# Allegro board SDHCalFEB.brd (continued)
## Routing (per net, layer and track width the routed paths; a pad name or vN(x,y) marks a point on that pad's centre or on a via; arc(x,y) is an arc through that point) (continued)
; 335.71,195.55 v2(335.71,195.99) ; v2(335.71,195.99) 335.71,196.42 ; v2(335.71,195.99) 335.28,195.99 ; v2(335.71,195.99) 336.14,195.99 ; 182.68,254.58 v2(183.11,254.58) ; v2(183.11,254.58) 183.11,255.02 ; v2(183.11,254.58) 183.11,254.15 ; v2(183.11,254.58) 183.54,254.58 ; 183.39,351.48 v1(183.39,351.92) ; v1(183.39,351.92) 183.82,351.92 ; v1(183.39,351.92) 183.39,352.35 ; v1(183.39,351.92) 182.96,351.92 ; v2(106.91,174.45) 106.91,174.88 ; v2(106.91,174.45) 106.48,174.45 ; v2(106.91,174.45) 106.91,174.01 ; v2(106.91,174.45) 107.34,174.45 ; 253.24,95.78 v2(253.24,96.22) ; v2(253.24,96.22) 253.67,96.22 ; v2(253.24,96.22) 253.24,96.65 ; v2(253.24,96.22) 252.81,96.22 ; 269.31,164.41 C781.2 ; C781.2 268.11,165.74 ; C781.2 269.31,167.06 ; v1(353.44,350.34) 353.87,350.34 ; v1(353.44,350.34) 353.44,350.77 ; v1(353.44,350.34) 353.44,349.91 ; v1(353.44,350.34) 353.01,350.34 ; v2(363.22,110.67) 363.65,110.67 ; v2(363.22,110.67) 363.22,111.1 ; v2(363.22,110.67) 362.79,110.67 ; v2(363.22,110.67) 363.22,110.24 ; v2(342.11,310.67) 342.11,311.1 ; v2(342.11,310.67) 342.11,310.24 ; v2(342.11,310.67) 342.54,310.67 ; v2(342.11,310.67) 341.68,310.67 ; v2(94.49,172.69) 94.92,172.69 ; v2(94.49,172.69) 94.49,173.13 ; v2(94.49,172.69) 94.49,172.26 ; 340.59,319.46 v2(341.02,319.46) ; v2(341.02,319.46) 341.02,319.02 ; v2(341.02,319.46) 341.02,319.89 ; v2(341.02,319.46) 341.45,319.46 ; J11.2 258.72,250.65 ; J11.2 259.85,249.52 ; J11.2 258.72,248.39 ; J11.2 257.59,249.52 ; 98.75,248.49 J15.2 ; J15.2 97.62,249.62 ; J15.2 98.75,250.75 ; J15.2 99.88,249.62 ; 355.57,186.69 v1(356.01,186.69) ; v1(356.01,186.69) 356.01,187.12 ; v1(356.01,186.69) 356.01,186.26 ; v1(356.01,186.69) 356.44,186.69 ; 175.2,259.03 J46.5 ; J46.5 175.2,261.29 ; J46.5 176.33,260.16 ; J46.5 174.07,260.16 ; 181.84,350.39 v1(181.84,350.82) ; v1(181.84,350.82) 181.84,351.26 ; v1(181.84,350.82) 181.41,350.82 ; v1(181.84,350.82) 182.27,350.82 ; 337.82,169.24 v2(338.25,169.24) ; v2(338.25,169.24) 338.25,169.67 ; v2(338.25,169.24) 338.25,168.81 ; v2(338.25,169.24) 338.68,169.24 ; 177.44,191.77 v2(177.44,192.2) ; v2(177.44,192.2) 177.01,192.2 ; v2(177.44,192.2) 177.44,192.63 ; v2(94.97,181.61) 94.97,182.04 ; v2(94.97,181.61) 94.97,181.18 ; v2(94.97,181.61) 94.54,181.61 ; v2(94.97,181.61) 95.4,181.61 ; 334.54,40.82 v2(334.98,40.82) ; v2(334.98,40.82) 334.98,40.39 ; v2(334.98,40.82) 334.98,41.25 ; v2(334.98,40.82) 335.41,40.82 ; 93.62,39.83 v2(93.62,40.26) ; v2(93.62,40.26) 94.06,40.26 ; v2(93.62,40.26) 93.19,40.26 ; v2(93.62,40.26) 93.62,40.69 ; 241.23,198.17 v2(241.23,198.6) ; v2(241.23,198.6) 241.66,198.6 ; v2(241.23,198.6) 240.8,198.6 ; C87.2 317.56,278.05 ; C87.2 314.92,278.05 ; C87.2 316.24,276.86 ; 175.41,253.26 v2(175.84,253.26) ; v2(175.84,253.26) 176.28,253.26 ; v2(175.84,253.26) 175.84,252.83 ; v2(175.84,253.26) 175.84,253.7 ; v1(370.79,183.79) 371.22,183.79 ; v1(370.79,183.79) 370.36,183.79 ; v1(370.79,183.79) 370.79,184.23 ; v1(370.79,183.79) 370.79,183.36 ; 254.66,280.26 v2(255.09,280.26) ; v2(255.09,280.26) 255.52,280.26 ; v2(255.09,280.26) 255.09,279.83 ; v2(255.09,280.26) 255.09,280.7 ; v2(29.39,266.32) 29.39,266.75 ; v2(29.39,266.32) 29.39,265.89 ; v2(29.39,266.32) 29.82,266.32 ; v2(29.39,266.32) 28.96,266.32 ; 175.11,39.93 v2(175.11,40.36) ; v2(175.11,40.36) 175.11,40.79 ; v2(175.11,40.36) 175.54,40.36 ; v2(175.11,40.36) 174.68,40.36 ; 93.17,242.82 R1712.1 92.59,242.26 ; C1218.2 237.24,37.96 ; C1218.2 234.59,37.96 ; C1218.2 235.92,36.77 ; U1053.7 v1(346.37,127.02) ; J56.5 184.16,101.19 ; J56.5 185.29,100.06 ; J56.5 184.16,98.93 ; J56.5 183.03,100.06 ; 226.87,349.96 v1(227.3,349.96) ; v1(227.3,349.96) 227.74,349.96 ; v1(227.3,349.96) 227.3,350.39 ; v1(227.3,349.96) 227.3,349.53 ; 167.34,117.78 R904.1 167.93,118.34 ; C1041.2 37.77,169.4 ; C1041.2 39.09,168.21 ; C1041.2 36.45,168.21 ; 251.66,323.49 v2(252.09,323.49) ; v2(252.09,323.49) 252.09,323.93 ; v2(252.09,323.49) 252.53,323.49 ; v2(252.09,323.49) 252.09,323.06 ; v2(185.83,180.57) 185.83,181 ; v2(185.83,180.57) 185.83,180.14 ; v2(185.83,180.57) 185.39,180.57 ; v2(185.83,180.57) 186.26,180.57 ; v1(163.27,355.68) 163.27,356.11 ; v1(163.27,355.68) 162.84,355.68 ; v1(163.27,355.68) 163.7,355.68 ; v1(163.27,355.68) 163.27,355.24 ; v2(159.16,39.37) 159.59,39.37 ; v2(159.16,39.37) 158.72,39.37 ; v2(159.16,39.37) 159.16,39.8 ; v2(159.16,39.37) 159.16,38.94 ; 43.99,338.71 v2(44.42,338.71) ; v2(44.42,338.71) 44.42,338.28 ; v2(44.42,338.71) 44.86,338.71 ; v2(44.42,338.71) 44.42,339.14 ; 77.04,115.9 v2(77.04,116.33) ; v2(77.04,116.33) 77.04,116.76 ; v2(77.04,116.33) 76.61,116.33 ; v2(77.04,116.33) 77.47,116.33 ; J16.3 95.8,195.28 ; J16.3 96.94,194.14 ; J16.3 95.8,193.01 ; J16.3 94.67,194.14 ; v2(30.96,177.5) 30.96,177.93 ; v2(30.96,177.5) 30.53,177.5 ; v2(30.96,177.5) 31.39,177.5 ; v2(30.96,177.5) 30.96,177.06 ; v2(228.17,340.84) 228.17,341.27 ; v2(228.17,340.84) 227.74,340.84 ; v2(228.17,340.84) 228.17,340.41 ; v2(228.17,340.84) 228.6,340.84 ; v2(27.91,90.6) 27.91,91.03 ; v2(27.91,90.6) 28.35,90.6 ; v2(27.91,90.6) 27.91,90.17 ; v2(27.91,90.6) 27.48,90.6 ; v2(101.73,175.69) 101.73,176.12 ; v2(101.73,175.69) 101.29,175.69 ; v2(101.73,175.69) 101.73,175.26 ; v2(101.73,175.69) 102.16,175.69 ; 110.31,176.4 v2(110.74,176.4) ; v2(110.74,176.4) 110.74,176.84 ; v2(110.74,176.4) 111.18,176.4 ; v2(110.74,176.4) 110.74,175.97 ; 334.35,249.52 J9.5 ; J9.5 335.48,248.39 ; J9.5 336.61,249.52 ; J9.5 335.48,250.65 ; J6.5 171.74,278.17 ; J6.5 169.48,278.17 ; J6.5 170.61,279.3 ; J6.5 170.61,277.04 ; v1(20.9,19.51) 20.9,19.94 ; v1(20.9,19.51) 21.34,19.51 ; v1(20.9,19.51) 20.9,19.07 ; v1(20.9,19.51) 20.47,19.51 ; 111.59,173.13 R1918.1 ; 332.5,163.34 v2(332.5,162.91) 332.93,162.91 ; v1(358.11,206.76) 358.11,207.19 ; v1(358.11,206.76) 358.11,206.32 ; v1(358.11,206.76) 357.68,206.76 ; v1(358.11,206.76) 358.55,206.76 ; v2(223.49,336.07) 223.93,336.07 ; v2(223.49,336.07) 223.49,336.5 ; v2(223.49,336.07) 223.06,336.07 ; v2(223.49,336.07) 223.49,335.64 ; v2(298.96,342.09) 298.96,342.52 ; v2(298.96,342.09) 298.96,341.65 ; v2(298.96,342.09) 298.53,342.09 ; v2(298.96,342.09) 299.39,342.09 ; 171.65,118.67 v2(172.09,118.67) ; v2(172.09,118.67) 172.09,119.1 ; v2(172.09,118.67) 172.52,118.67 ; v2(172.09,118.67) 172.09,118.24 ; 235.79,276.17 v2(235.79,276.61) ; v2(235.79,276.61) 236.22,276.61 ; v2(235.79,276.61) 235.36,276.61 ; v2(235.79,276.61) 235.79,277.04 ; v2(337.39,173.15) 337.82,173.15 ; v2(337.39,173.15) 336.96,173.15 ; v2(337.39,173.15) 337.39,172.72 ; v2(337.39,173.15) 337.39,173.58 ; 241.63,196.75 v2(241.63,197.18) ; v2(241.63,197.18) 241.63,197.61 ; v2(241.63,197.18) 241.2,197.18 ; v2(241.63,197.18) 242.06,197.18 ; v2(332.18,34.72) 332.61,34.72 ; v2(332.18,34.72) 332.18,34.29 ; v2(332.18,34.72) 332.18,35.15 ; v2(332.18,34.72) 331.75,34.72 ; 97.84,260.1 v2(98.27,260.1) ; v2(98.27,260.1) 98.27,259.66 ; v2(98.27,260.1) 98.7,260.1 ; v2(98.27,260.1) 98.27,260.53 ; J12.4 252.41,194.02 ; J12.4 251.28,195.15 ; J12.4 250.15,194.02 ; J12.4 251.28,192.89 ; v1(226.95,348.11) 227.38,348.11 ; v1(226.95,348.11) 226.52,348.11 ; v1(226.95,348.11) 226.95,347.67 ; v1(226.95,348.11) 226.95,348.54 ; 102.03,334.24 v2(102.03,334.67) ; v2(102.03,334.67) 102.03,335.1 ; v2(102.03,334.67) 102.46,334.67 ; v2(102.03,334.67) 101.6,334.67 ; 30.53,174.96 v2(30.96,174.96) ; v2(30.96,174.96) 30.96,175.39 ; v2(30.96,174.96) 30.96,174.52 ; v2(30.96,174.96) 31.39,174.96 ; J48.5 334.96,180.98 ; J48.5 334.96,178.72 ; J48.5 333.83,179.85 ; J48.5 336.09,179.85 ; v2(177.93,31.65) 178.36,31.65 ; v2(177.93,31.65) 177.49,31.65 ; v2(177.93,31.65) 177.93,31.22 ; v2(177.93,31.65) 177.93,32.08 ; J34.A2 v1(394.88,163.71) ; v2(365.12,108.36) 365.12,108.79 ; v2(365.12,108.36) 364.69,108.36 ; v2(365.12,108.36) 365.12,107.92 ; v2(365.12,108.36) 365.56,108.36 ; v2(188.09,322.3) 188.52,322.3 ; v2(188.09,322.3) 188.09,321.87 ; v2(188.09,322.3) 187.65,322.3 ; v2(188.09,322.3) 188.09,322.73 ; 336.02,82.63 v2(336.02,83.06) ; v2(336.02,83.06) 335.58,83.06 ; v2(336.02,83.06) 336.45,83.06 ; v2(336.02,83.06) 336.02,83.49 ; v2(185.18,173.05) 185.18,173.48 ; 73.63,197.21 v2(74.07,197.21) ; v2(74.07,197.21) 74.5,197.21 ; v2(74.07,197.21) 74.07,197.64 ; v2(74.07,197.21) 74.07,196.77 ; 260.73,25.68 v1(260.73,26.11) ; v1(260.73,26.11) 261.16,26.11 ; v1(260.73,26.11) 260.3,26.11 ; v1(260.73,26.11) 260.73,26.54 ; 171.98,97.59 v2(171.98,98.02) ; v2(171.98,98.02) 171.98,98.45 ; v2(171.98,98.02) 172.42,98.02 ; v2(171.98,98.02) 171.55,98.02 ; 260.71,352.63 v1(261.14,352.63) ; v1(261.14,352.63) 261.14,352.2 ; v1(261.14,352.63) 261.14,353.06 ; v1(261.14,352.63) 261.57,352.63 ; 364.06,242.47 v2(364.49,242.47) ; v2(364.49,242.47) 364.92,242.47 ; v2(364.49,242.47) 364.49,242.9 ; v2(364.49,242.47) 364.49,242.04 ; v2(95.83,90.12) 96.27,90.12 ; v2(95.83,90.12) 95.83,90.55 ; v2(95.83,90.12) 95.83,89.69 ; v2(95.83,90.12) 95.4,90.12 ; 335.41,276.89 v2(335.84,276.89) ; v2(335.84,276.89) 336.27,276.89 ; v2(335.84,276.89) 335.84,277.32 ; v2(335.84,276.89) 335.84,276.45 ; 191.49,339.11 v2(191.49,339.55) ; v2(191.49,339.55) 191.92,339.55 ; v2(191.49,339.55) 191.06,339.55 ; v2(191.49,339.55) 191.49,339.98 ; 172.21,113.56 v2(172.21,114) ; v2(172.21,114) 171.78,114 ; v2(172.21,114) 172.21,114.43 ; v2(172.21,114) 172.64,114 ; v1(353.19,263.6) 353.62,263.6 ; v1(353.19,263.6) 353.19,264.03 ; v1(353.19,263.6) 352.75,263.6 ; v1(353.19,263.6) 353.19,263.17 ; 259.41,263.07 v2(259.41,263.5) ; v2(259.41,263.5) 259.41,263.93 ; v2(259.41,263.5) 259.84,263.5 ; v2(259.41,263.5) 258.98,263.5 ; 99.96,242.19 v2(100.39,242.19) 100.39,242.63 ; v2(320.7,42.8) 321.13,42.8 ; v2(320.7,42.8) 320.7,43.23 ; v2(320.7,42.8) 320.27,42.8 ; v2(320.7,42.8) 320.7,42.37 ; 85.95,20.4 v1(85.95,20.83) ; v1(85.95,20.83) 86.39,20.83 ; v1(85.95,20.83) 85.52,20.83 ; v1(85.95,20.83) 85.95,21.26 ; v2(256.36,89) 256.79,89 ; v2(256.36,89) 256.36,89.43 ; v2(256.36,89) 256.36,88.57 ; v2(256.36,89) 255.93,89 ; v1(201.98,351.49) 201.98,351.92 ; v1(201.98,351.49) 202.41,351.49 ; v1(201.98,351.49) 201.98,351.05 ; v1(201.98,351.49) 201.55,351.49 ; v2(365.23,214.25) 365.23,214.68 ; v2(365.23,214.25) 364.79,214.25 ; v2(365.23,214.25) 365.23,213.82 ; v2(365.23,214.25) 365.66,214.25 ; 334.06,253.26 v2(334.49,253.26) ; v2(334.49,253.26) 334.49,252.83 ; v2(334.49,253.26) 334.92,253.26 ; v2(334.49,253.26) 334.49,253.7 ; v2(180.62,173.3) 181.05,173.3 ; v2(180.62,173.3) 180.62,172.87 ; v2(180.62,173.3) 180.62,173.74 ; v2(180.62,173.3) 180.19,173.3 ; 178.74,243.61 J13.3 ; J13.3 178.74,245.87 ; J13.3 179.87,244.74 ; J13.3 177.6,244.74 ; 180.68,263.25 R1633.1 180.68,262.08 ; C693.2 29.58,185.22 ; C693.2 29.58,182.57 ; C693.2 28.39,183.9 ; v1(248.26,24.69) 248.26,25.12 ; v1(248.26,24.69) 248.26,24.26 ; v1(248.26,24.69) 248.69,24.69 ; v1(248.26,24.69) 247.83,24.69 ; v1(100.63,19.3) 101.07,19.3 ; v1(100.63,19.3) 100.63,19.74 ; v1(100.63,19.3) 100.63,18.87 ; v1(100.63,19.3) 100.2,19.3 ; v2(257.3,170.74) 257.3,171.17 ; v2(257.3,170.74) 257.73,170.74 ; v2(257.3,170.74) 257.3,170.31 ; v2(257.3,170.74) 256.87,170.74 ; J14.2 175.46,200.08 ; J14.2 175.46,197.81 ; J14.2 176.59,198.95 ; J14.2 174.33,198.95 ; 268.66,96.98 v2(269.09,96.98) ; v2(269.09,96.98) 269.09,96.54 ; v2(269.09,96.98) 269.09,97.41 ; v2(269.09,96.98) 269.52,96.98 ; v2(76.61,197.21) 77.04,197.21 ; v2(76.61,197.21) 76.61,196.77 ; v2(76.61,197.21) 76.61,197.64 ; v2(76.61,197.21) 76.17,197.21 ; v2(98.27,171.65) 98.27,172.09 ; v2(98.27,171.65) 98.27,171.22 ; v2(98.27,171.65) 97.84,171.65 ; v2(98.27,171.65) 98.7,171.65 ; v1(355.07,205.66) 355.5,205.66 ; v1(355.07,205.66) 354.63,205.66 ; v1(355.07,205.66) 355.07,205.23 ; v1(355.07,205.66) 355.07,206.1 ; v2(333.35,118.54) 333.35,118.97 ; v2(333.35,118.54) 333.35,118.11 ; v2(333.35,118.54) 332.92,118.54 ; v2(333.35,118.54) 333.78,118.54 ; 173.74,179.87 J50.5 ; J50.5 174.87,181 ; J50.5 176,179.87 ; J50.5 174.87,178.74 ; 100.2,23.16 v1(100.2,23.6) ; v1(100.2,23.6) 99.77,23.6 ; v1(100.2,23.6) 100.2,24.03 ; v1(100.2,23.6) 100.64,23.6 ; 185.22,27.28 v1(185.65,27.28) ; v1(185.65,27.28) 186.08,27.28 ; v1(185.65,27.28) 185.65,27.71 ; v1(185.65,27.28) 185.65,26.85 ; v2(180.34,322.2) 180.34,322.63 ; 109.63,172.85 v2(109.63,173.28) ; v2(109.63,173.28) 110.06,173.28 ; v2(109.63,173.28) 109.19,173.28 ; v2(109.63,173.28) 109.63,173.71 ; 184.16,173.05 U599.2 184.57,173.81 ; 92.87,244.87 J15.4 ; J15.4 94,246 ; J15.4 95.13,244.87 ; J15.4 94,243.74 ; v2(182.37,258.27) 182.8,258.27 ; v2(182.37,258.27) 182.37,257.83 ; v2(182.37,258.27) 181.94,258.27 ; v2(182.37,258.27) 182.37,258.7 ; v2(314.32,278) 314.76,278 ; v2(314.32,278) 313.89,278 ; v2(314.32,278) 314.32,277.57 ; v2(314.32,278) 314.32,278.44 ; 229.46,351.81 v1(229.46,352.25) ; v1(229.46,352.25) 229.03,352.25 ; v1(229.46,352.25) 229.46,352.68 ; v1(229.46,352.25) 229.9,352.25 ; v1(98.02,24.64) 98.45,24.64 ; v1(98.02,24.64) 98.02,25.07 ; v1(98.02,24.64) 97.59,24.64 ; v1(98.02,24.64) 98.02,24.21 ; v1(372.59,187.78) 373.02,187.78 ; v1(372.59,187.78) 372.59,187.35 ; v1(372.59,187.78) 372.59,188.21 ; v1(372.59,187.78) 372.16,187.78 ; J35.B25 v1(391.79,256.67) ; v2(251.05,40.87) 251.49,40.87 ; v2(251.05,40.87) 250.62,40.87 ; v2(251.05,40.87) 251.05,40.44 ; v2(251.05,40.87) 251.05,41.3 ; 235.18,117.08 C870.2 ; C870.2 236.5,118.28 ; C870.2 233.86,118.28 ; 183.16,172.87 v2(183.16,173.3) ; v2(183.16,173.3) 183.59,173.3 ; v2(183.16,173.3) 183.16,173.74 ; v2(183.16,173.3) 182.73,173.3 ; v2(157.61,117.25) 157.61,117.68 ; v2(157.61,117.25) 158.04,117.25 ; v2(157.61,117.25) 157.17,117.25 ; v2(157.61,117.25) 157.61,116.81 ; 327.77,117.47 R738.1 328.35,118.03 ; 88.81,118.24 v2(88.38,118.24) 88.38,118.67 ; 313.44,197.99 v2(313.87,197.99) ; v2(313.87,197.99) 313.87,198.43 ; v2(313.87,197.99) 314.3,197.99 ; v2(313.87,197.99) 313.87,197.56 ; v2(253.97,262.2) 254.4,262.2 ; v2(253.97,262.2) 253.97,261.77 ; v2(253.97,262.2) 253.97,262.63 ; 366.34,242.16 v1(366.34,242.6) ; v1(366.34,242.6) 366.34,243.03 ; v1(366.34,242.6) 365.91,242.6 ; v1(366.34,242.6) 366.78,242.6 ; v2(333.38,113.82) 333.38,114.25 ; v2(333.38,113.82) 333.81,113.82 ; v2(333.38,113.82) 333.38,113.39 ; v2(333.38,113.82) 332.94,113.82 ; 108.71,167.11 v2(109.14,167.11) ; v2(109.14,167.11) 109.58,167.11 ; v2(109.14,167.11) 109.14,167.54 ; v2(109.14,167.11) 109.14,166.67 ; 339.14,253.26 v2(339.57,253.26) ; v2(339.57,253.26) 339.57,253.7 ; v2(339.57,253.26) 340,253.26 ; v2(339.57,253.26) 339.57,252.83 ; v2(30.35,258.37) 30.35,258.8 ; v2(30.35,258.37) 29.92,258.37 ; v2(30.35,258.37) 30.79,258.37 ; v2(30.35,258.37) 30.35,257.94 ; v2(29.18,86.79) 29.18,87.22 ; v2(29.18,86.79) 29.62,86.79 ; v2(29.18,86.79) 28.75,86.79 ; v2(29.18,86.79) 29.18,86.36 ; v1(372.77,93.27) 373.2,93.27 ; v1(372.77,93.27) 372.77,92.84 ; v1(372.77,93.27) 372.34,93.27 ; v1(372.77,93.27) 372.77,93.7 ; 97.98,287.89 v2(98.41,287.89) 98.41,288.32 ; v1(369.57,95.33) 369.57,95.76 ; v1(369.57,95.33) 370,95.33 ; v1(369.57,95.33) 369.57,94.89 ; v1(369.57,95.33) 369.14,95.33 ; v1(180.59,28.19) 181.03,28.19 ; v1(180.59,28.19) 180.59,27.76 ; v1(180.59,28.19) 180.59,28.63 ; v1(180.59,28.19) 180.16,28.19 ; v2(179.83,35.46) 180.26,35.46 ; v2(179.83,35.46) 179.83,35.03 ; v2(179.83,35.46) 179.4,35.46 ; v2(179.83,35.46) 179.83,35.89 ; 21.04,20.55 J68.4 ; J68.4 22.17,21.68 ; J68.4 19.91,21.68 ; J68.4 21.04,22.81 ; 359.08,186.39 v2(359.51,186.39) ; v2(359.51,186.39) 359.94,186.39 ; v2(359.51,186.39) 359.51,186.82 ; v2(359.51,186.39) 359.51,185.95 ; 177.52,82.4 v2(177.52,82.83) ; v2(177.52,82.83) 177.09,82.83 ; v2(177.52,82.83) 177.95,82.83 ; v2(177.52,82.83) 177.52,83.26 ; v2(328.42,194.46) 328.42,194.89 ; v2(328.42,194.46) 327.99,194.46 ; v2(328.42,194.46) 328.42,194.03 ; v2(328.42,194.46) 328.85,194.46 ; 110.16,99.2 R2161.1 111.32,99.2 ; 93.83,183.46 v2(94.26,183.46) ; v2(94.26,183.46) 94.26,183.03 ; v2(94.26,183.46) 94.26,183.9 ; v2(94.26,183.46) 94.69,183.46 ; U667.1 107.23,165.51 ; v2(93.42,82.93) 93.85,82.93 ; v2(93.42,82.93) 92.99,82.93 ; v2(93.42,82.93) 93.42,83.36 ; v2(93.42,82.93) 93.42,82.5 ; v2(177.06,259.69) 177.5,259.69 ; v2(177.06,259.69) 177.06,260.12 ; v2(177.06,259.69) 176.63,259.69 ; v2(177.06,259.69) 177.06,259.26 ; v2(107.59,167.13) 108.03,167.13 ; v2(107.59,167.13) 107.16,167.13 ; v2(107.59,167.13) 107.59,167.56 ; v2(107.59,167.13) 107.59,166.7 ; v2(94.61,251.49) 95.05,251.49 ; v2(94.61,251.49) 94.61,251.05 ; v2(94.61,251.49) 94.61,251.92 ; v2(94.61,251.49) 94.18,251.49 ; J20.5 251.7,118.38 ; J20.5 249.44,118.38 ; J20.5 250.57,117.25 ; J20.5 250.57,119.51 ; v2(176.53,175.64) 176.53,176.07 ; v2(176.53,175.64) 176.96,175.64 ; v2(176.53,175.64) 176.53,175.21 ; v2(176.53,175.64) 176.1,175.64 ; v1(19,19.51) 19,19.94 ; v1(19,19.51) 19,19.07 ; v1(19,19.51) 19.43,19.51 ; v1(19,19.51) 18.57,19.51 ; 18.75,21.23 v1(18.75,21.67) ; v1(18.75,21.67) 18.31,21.67 ; v1(18.75,21.67) 19.18,21.67 ; v1(18.75,21.67) 18.75,22.1 ; 192.3,255.78 v2(192.74,255.78) ; v2(192.74,255.78) 192.74,255.35 ; v2(192.74,255.78) 192.74,256.21 ; v2(192.74,255.78) 193.17,255.78 ; 173.48,193.37 v2(173.48,193.8) ; v2(173.48,193.8) 173.05,193.8 ; v2(173.48,193.8) 173.91,193.8 ; v2(173.48,193.8) 173.48,194.23 ; 143,343.92 v2(143,344.35) ; v2(143,344.35) 143.43,344.35 ; v2(143,344.35) 143,344.78 ; v2(143,344.35) 142.57,344.35 ; v2(274.57,180.01) 274.57,180.44 ; v2(274.57,180.01) 274.14,180.01 ; v2(274.57,180.01) 275.01,180.01 ; v2(274.57,180.01) 274.57,179.58 ; 104.11,21.72 v1(104.55,21.72) ; v1(104.55,21.72) 104.55,22.15 ; v1(104.55,21.72) 104.98,21.72 ; v1(104.55,21.72) 104.55,21.28 ; 270.36,98.15 v2(270.79,98.15) ; v2(270.79,98.15) 270.79,97.71 ; v2(270.79,98.15) 270.79,98.58 ; v2(270.79,98.15) 271.22,98.15 ; 28.75,85.52 v2(29.18,85.52) ; v2(29.18,85.52) 29.62,85.52 ; v2(29.18,85.52) 29.18,85.09 ; v2(29.18,85.52) 29.18,85.95 ; C1450.2 246.74,24.61 ; C1450.2 244.09,24.61 ; C1450.2 245.41,23.42 ; 255.6,172.74 v2(255.6,173.18) ; v2(255.6,173.18) 256.03,173.18 ; v2(255.6,173.18) 255.17,173.18 ; v2(255.6,173.18) 255.6,173.61 ; J28.5 249.88,39.88 ; J28.5 251.01,38.75 ; J28.5 249.88,37.62 ; J28.5 248.75,38.75 ; 342.01,316.64 v2(342.01,317.07) ; v2(342.01,317.07) 341.58,317.07 ; v2(342.01,317.07) 342.01,317.5 ; v2(342.01,317.07) 342.44,317.07 ; 338.51,263.37 v2(338.51,263.8) ; v2(338.51,263.8) 338.07,263.8 ; v2(338.51,263.8) 338.94,263.8 ; 94.06,162.15 v2(94.06,162.59) ; v2(94.06,162.59) 93.62,162.59 ; v2(94.06,162.59) 94.49,162.59 ; v2(94.06,162.59) 94.06,163.02 ; v2(30.2,37.54) 30.2,37.97 ; v2(30.2,37.54) 30.63,37.54 ; v2(30.2,37.54) 30.2,37.11 ; v2(30.2,37.54) 29.77,37.54 ; 102.73,99.54 J57.5 ; J57.5 103.86,100.67 ; J57.5 101.6,100.67 ; 302.74,344.8 v2(302.74,345.24) ; v2(302.74,345.24) 302.31,345.24 ; v2(302.74,345.24) 302.74,345.67 ; v2(302.74,345.24) 303.17,345.24 ; J29.5 175.88,89.22 ; J29.5 174.75,90.35 ; J29.5 174.75,88.09 ; J29.5 173.62,89.22 ; J39.3 44.46,341.68 ; J39.3 43.33,340.55 ; J39.3 44.46,339.42 ; J39.3 45.59,340.55 ; v2(258.98,91.16) 259.41,91.16 ; v2(258.98,91.16) 258.55,91.16 ; v2(258.98,91.16) 258.98,91.59 ; v2(258.98,91.16) 258.98,90.73 ; v2(257.48,254.56) 257.91,254.56 ; v2(257.48,254.56) 257.48,254.99 ; v2(257.48,254.56) 257.05,254.56 ; v2(257.48,254.56) 257.48,254.13 ; 226.87,351.49 v1(227.3,351.49) ; v1(227.3,351.49) 227.74,351.49 ; v1(227.3,351.49) 227.3,351.92 ; v1(227.3,351.49) 227.3,351.05 ; 108.41,326.41 v2(108.41,326.85) ; v2(108.41,326.85) 108.84,326.85 ; v2(108.41,326.85) 108.41,327.28 ; v2(108.41,326.85) 107.97,326.85 ; 175.16,35.36 v2(175.59,35.36) ; v2(175.59,35.36) 175.59,35.79 ; v2(175.59,35.36) 175.59,34.92 ; v2(175.59,35.36) 176.02,35.36 ; 278.89,178.92 v2(279.32,178.92) ; v2(279.32,178.92) 279.76,178.92 ; v2(279.32,178.92) 279.32,179.35 ; v2(279.32,178.92) 279.32,178.49 ; 268.71,174.12 v2(269.14,174.12) ; v2(269.14,174.12) 269.57,174.12 ; v2(269.14,174.12) 269.14,173.68 ; v2(269.14,174.12) 269.14,174.55 ; 33.73,168.61 v2(34.16,168.61) ; v2(34.16,168.61) 34.6,168.61 ; v2(34.16,168.61) 34.16,169.04 ; v2(34.16,168.61) 34.16,168.17 ; 99.97,257.89 v2(99.97,258.32) ; v2(99.97,258.32) 99.97,258.75 ; v2(99.97,258.32) 100.41,258.32 ; v2(99.97,258.32) 99.54,258.32 ; J34.A20 v1(394.88,186.57) ; 93.65,289.74 v2(94.08,289.74) ; v2(94.08,289.74) 94.08,289.31 ; v2(94.08,289.74) 94.08,290.17 